# Allegro board HY_UART_DBUG_V20_230103.brd
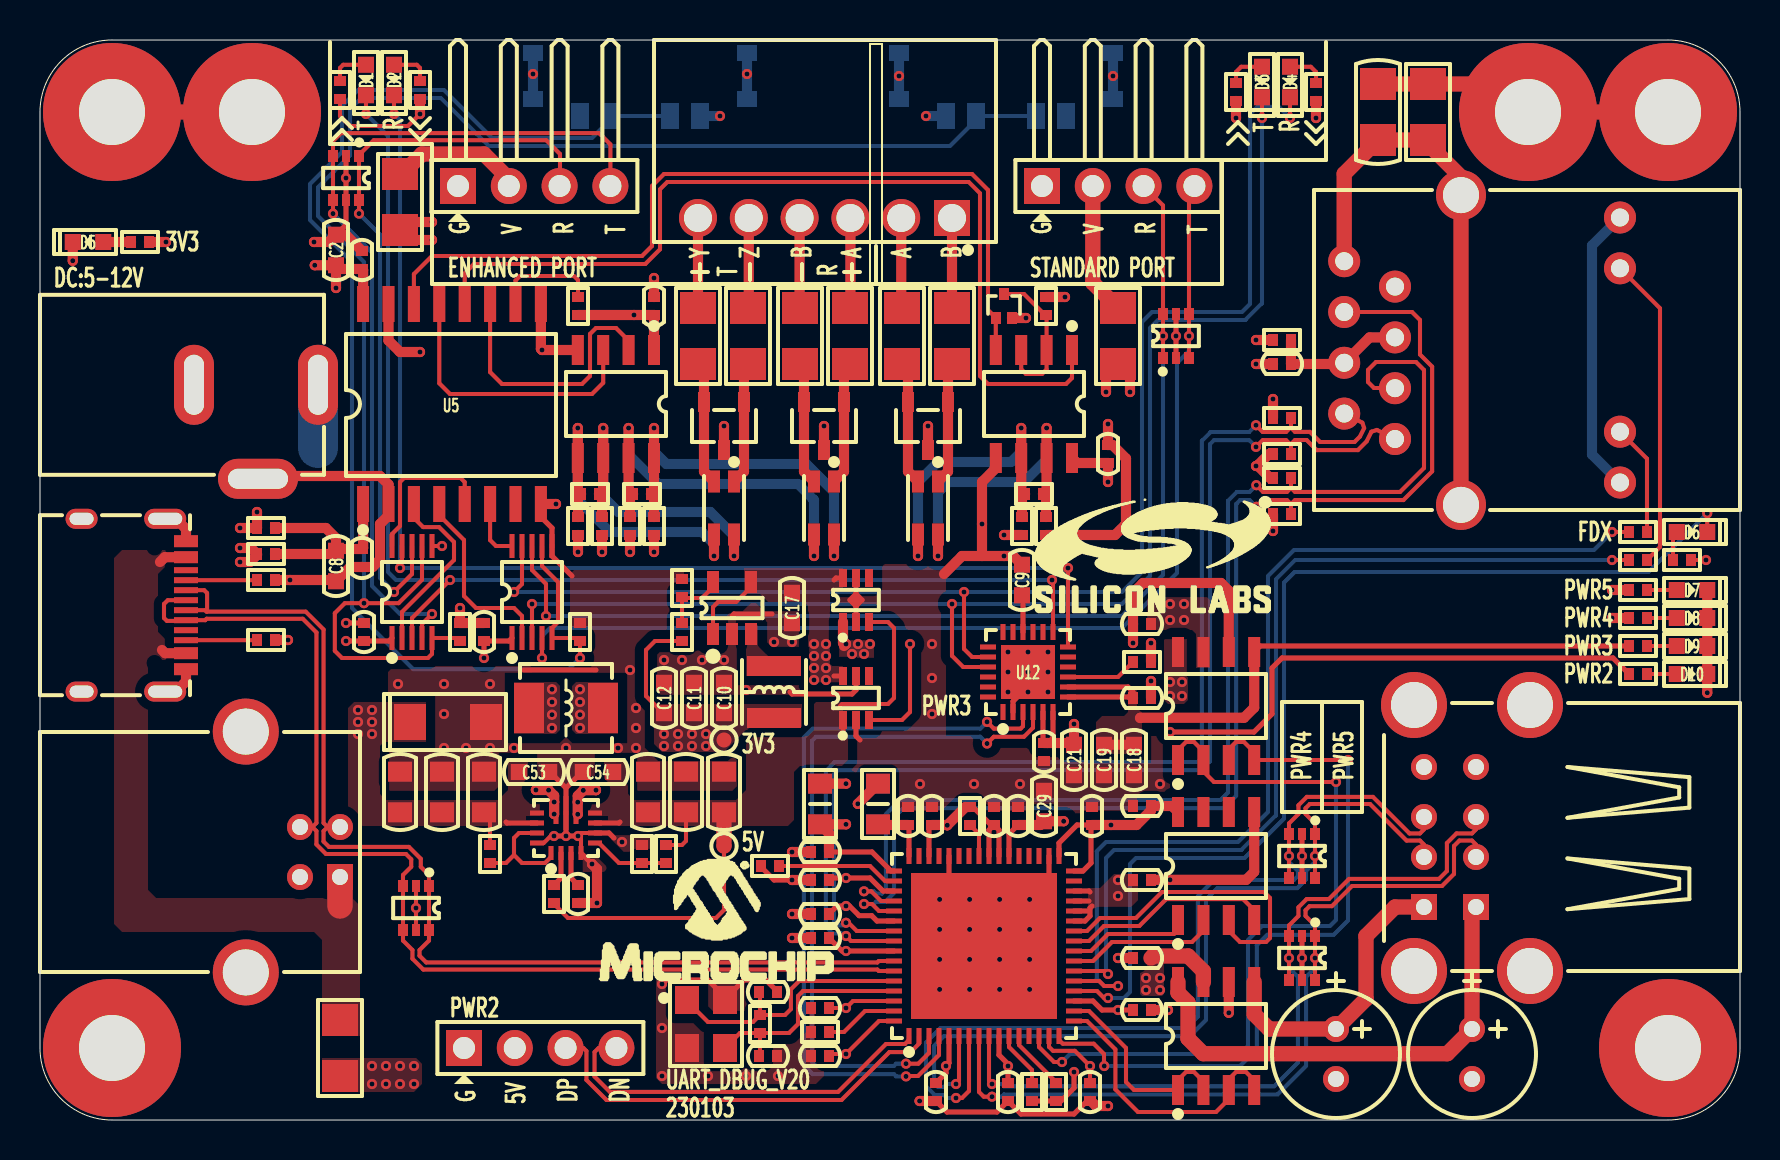
[diagram p0: board, top side]
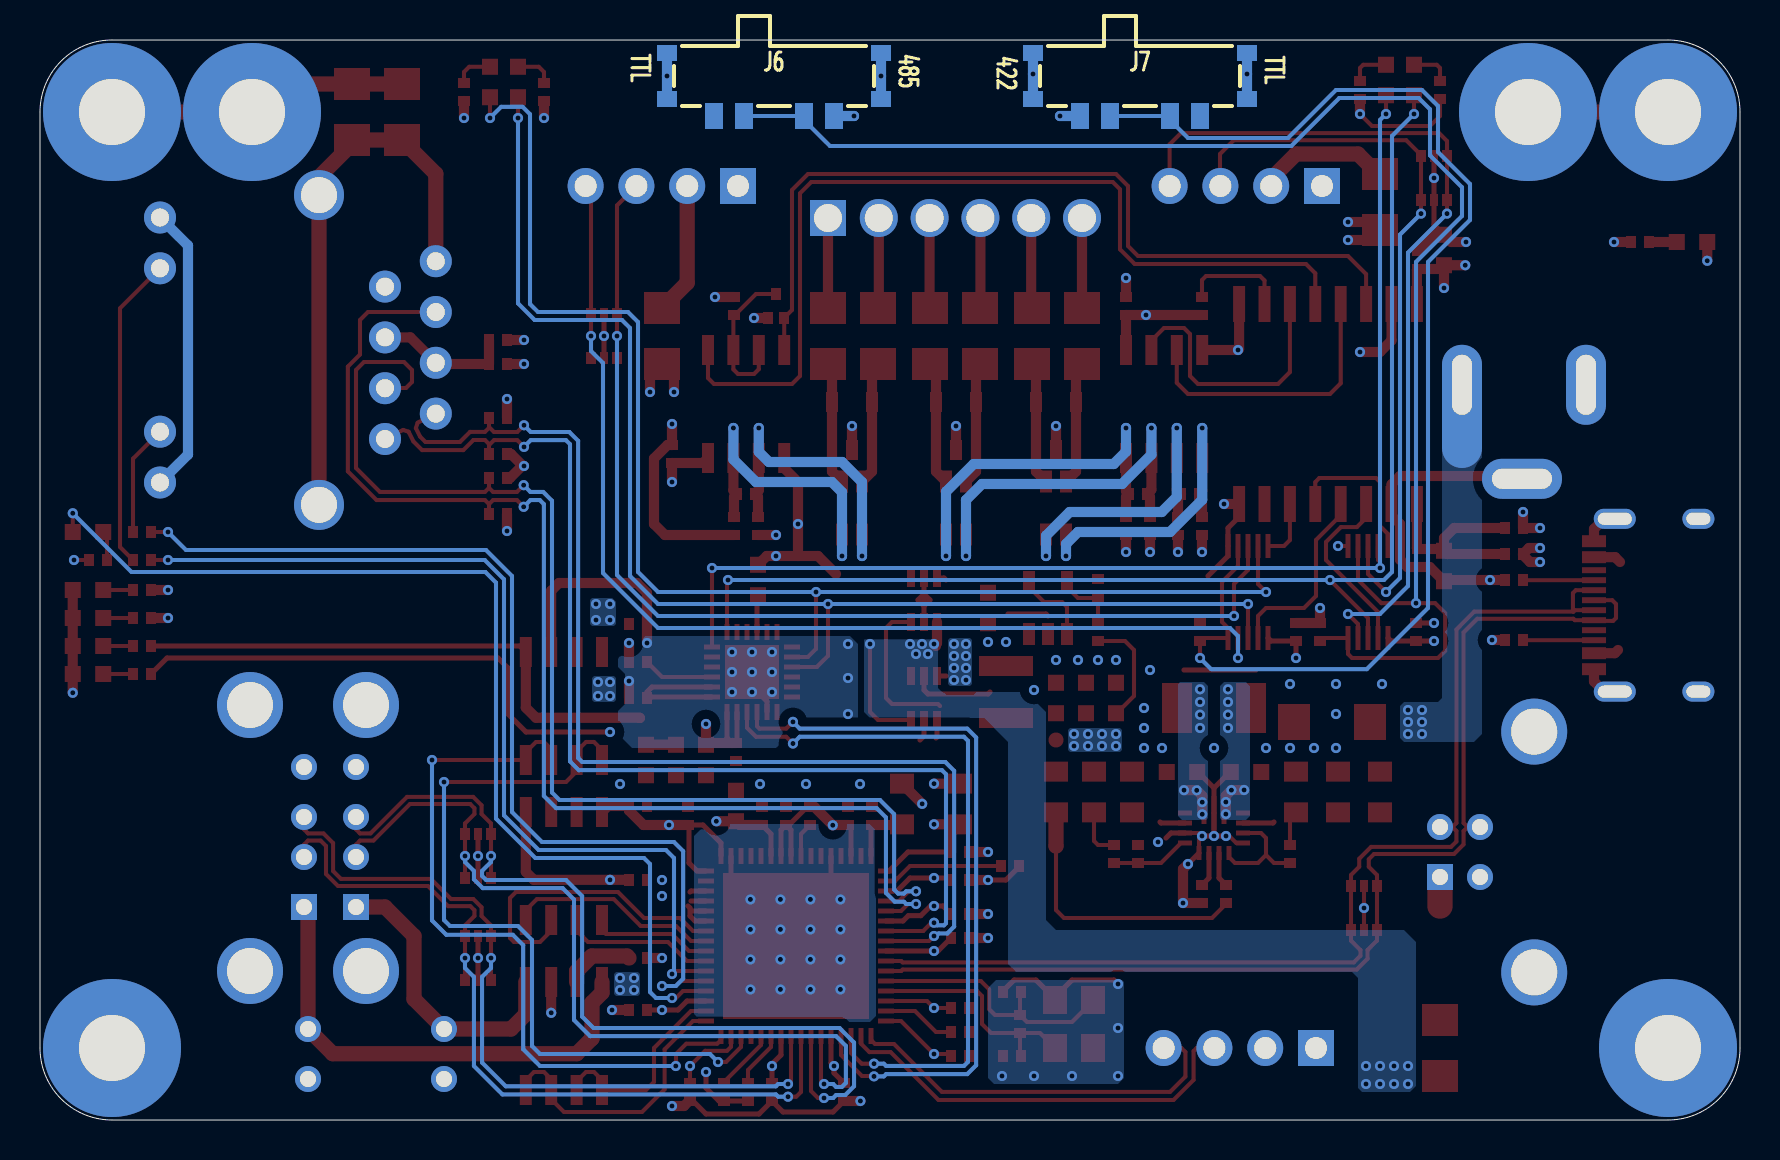
[diagram p1: board, bottom side, seen from below]

Outline 85 x 54 mm; copper layers: TOP, L02_GND, L03_VCC, BOTTOM. Coordinates in mm from the lower left corner of the outline.
Outline path: 0,50.4 arc(1.05,52.95) 3.6,54 81.4,54 arc(83.95,52.95) 85,50.4 85,3.6 arc(83.95,1.05) 81.4,0 3.6,0 arc(1.05,1.05) 0,3.6 0,50.4

## Design rules (mm)
constraint set DEFAULT: min track width 0.203, pair gap 0.203
net group DP1: nets USBDM0 USBDP0
net group DP2: nets USBDM2 USBDP2
net group DP3: nets USBDM3 USBDP3
net group DP4: nets USBDM4 USBDP4
net group DP5: nets USBDM5 USBDP5
net group RX: nets RXN RXP
net group TX: nets TXN TXP

## Placement (name value [footprint] x y rotation side)
C1  1nF_2KV  [C1206]  66.9 50.4 270 top
C2  10uF_10V  [C0603]  14.8 43.5 90 top
C3  100nF_50V  [C0402]  16.1 43 90 top
C4  100nF_50V  [C0402]  30.7 40.7 270 top
C5  100nF_50V  [C0402]  62.1 37.8 180 top
C6  100nF_50V  [C0402]  53.4 33.3 270 top
C7  100nF_50V  [C0402]  16.1 28.1 270 top
C8  10uF_10V  [C0603]  14.8 27.7 270 top
C9  10uF_10V  [C0603]  49.1 27 90 top
C10  10uF_10V  [C0603]  34.2 21.1 90 top
C11  10uF_10V  [C0603]  32.7 21.1 90 top
C12  10uF_10V  [C0603]  31.2 21.1 90 top
C13  100nF_50V  [C0402]  55.1 15.7 180 top
C14  100nF_50V  [C0402]  16.2 24.4 270 top
C15  100nF_50V  [C0402]  22.2 24.4 270 top
C16  100nF_50V  [C0402]  55.1 21.1 180 top
C17  10uF_10V  [C0603]  37.6 25.6 270 top
C18  10uF_10V  [C0603]  54.7 18 90 top
C19  10uF_10V  [C0603]  53.2 18 90 top
C20  100nF_50V  [C0402]  50.2 18.4 90 top
C21  10uF_10V  [C0603]  51.7 18 90 top
C22  10uF_25V  [C0805]  18 16.4 270 top
C23  10uF_25V  [C0805]  20.1 16.4 270 top
C24  10uF_25V  [C0805]  22.2 16.4 270 top
C25  22uF_10V  [C0805]  30.4 16.4 270 top
C26  22uF_10V  [C0805]  32.3 16.4 270 top
C27  22uF_10V  [C0805]  34.2 16.4 270 top
C29  10uF_10V  [C0603]  50.2 15.7 270 top
C30  100nF_50V  [C0402]  43.4 15.2 270 top
C31  100nF_50V  [C0402]  44.6 15.2 270 top
C32  100nF_50V  [C0402]  47.7 15.2 270 top
C33  100nF_50V  [C0402]  48.9 15.2 270 top
C34  100nF_50V  [C0402]  52.6 15.2 270 top
C35  100nF_50V  [C0402]  55.1 24.8 180 top
C36  100nF_50V  [C0402]  39 13.4 0 top
C37  100nF_50V  [C0402]  26.9 11.3 90 top
C38  100nF_50V  [C0402]  39 12 0 top
C39  100nF_50V  [C0402]  55.1 12 180 top
C40  100nF_50V  [C0402]  39 10.3 0 top
C41  100nF_50V  [C0402]  39 9.1 0 top
C42  20pF_50V  [C0402]  36.4 6.4 180 top
C43  100nF_50V  [C0402]  55.1 5.5 180 top
C44  100nF_50V  [C0402]  55.1 8.1 180 top
C45  100nF_50V  [C0402]  39 5.6 0 top
C46  470uF_6V3  [CAP-2R5-6R3X7]  64.8 3.3 270 top
C47  470uF_6V3  [CAP-2R5-6R3X7]  71.6 3.3 270 top
C48  20pF_50V  [C0402]  36.4 3.2 180 top
C49  100nF_50V  [C0402]  39 3.2 0 top
C50  100nF_50V  [C0402]  44.8 1.4 90 top
C51  100nF_50V  [C0402]  48.4 1.4 90 top
C52  100nF_50V  [C0402]  52.5 1.4 90 top
C53  10uF_10V  [C0603]  24.7 17.4 0 top
C54  10uF_10V  [C0603]  27.9 17.4 180 top
D1  LED_GREEN  [LED0603]  16.3 52 270 top
D2  LED_GREEN  [LED0603]  17.7 52 270 top
D3  LED_GREEN  [LED0603]  61.1 51.9 270 top
D4  LED_GREEN  [LED0603]  62.5 51.9 270 top
D5  LED_GREEN  [LED0603]  2.4 43.9 180 top
D6  LED_GREEN  [LED0603]  82.6 29.4 0 top
D7  LED_GREEN  [LED0603]  82.6 26.5 0 top
D8  LED_GREEN  [LED0603]  82.6 25.1 0 top
D9  LED_GREEN  [LED0603]  82.6 23.7 0 top
D10  LED_GREEN  [LED0603]  82.6 22.3 0 top
D11  SS56F  [SMAF]  20.4 19.9 180 top
DC1  -  [DC005]  7.7 36.76 0 top
F1  nSMD200  [FUSE1206]  18 45.9 90 top
F2  nSMD200  [FUSE1206]  53.9 39.2 90 top
F3  nSMD200  [FUSE1206]  15 3.6 90 top
J1  DB2ERC-2.54-6P-GN  [DB2ERC-2R54-6P-GN]  45.6 45.1 180 top
J2  -  [CN1X4-2P54-Z]  20.9 46.7 0 top
J3  -  [CN1X4-2P54-Z]  50.1 46.7 0 top
J4  -  [HR911105A]  74.1 38.5 0 top
J5  -  [CN1X4-2P54-Z]  21.2 3.6 0 top
J6  -  [K3-1208S-E1]  48.3 52.2 0 bottom
J7  -  [K3-1208S-E1]  30 52.2 0 bottom
L1  DLW31SN222SQ2L  [WCM3216]  34.2 30.6 270 top
L2  DLW31SN222SQ2L  [WCM3216]  39.2 30.6 270 top
L3  DLW31SN222SQ2L  [WCM3216]  44.4 30.6 270 top
L4  SWPA3015S2R2NT  [L3015]  36.7 21.4 270 top
L5  FXL0420-1R5-M  [L0420]  26.3 20.6 0 top
L6  GZ2012D101TF  [L0805]  39 15.8 270 top
L7  GZ2012D101TF  [L0805]  41.9 15.8 270 top
MH1  HOLE_M3/NI  [HOLE6R90X3R40]  3.6 50.4 0 top
MH2  HOLE_M3/NI  [HOLE6R90X3R40]  10.6 50.4 0 top
MH3  HOLE_M3/NI  [HOLE6R90X3R40]  74.4 50.4 0 top
MH4  HOLE_M3/NI  [HOLE6R90X3R40]  81.4 50.4 0 top
MH5  HOLE_M3/NI  [HOLE6R90X3R40]  3.6 3.6 0 top
MH6  HOLE_M3/NI  [HOLE6R90X3R40]  81.4 3.6 0 top
NOREF  -  []  0 0 0 top
NOREF#2  -  []  0 0 90 top
NOREF#3  -  []  3.6 50.4 0 top
NOREF#4  -  []  0 0 90 top
NOREF#5  -  []  0 0 90 top
NOREF#6  -  []  0 0 0 top
NOREF#7  -  []  0 0 0 top
Q1  DTC043ZMT2L  [SOT723]  48.2 40.7 0 top
R1  10K  [R0402]  15 51.5 270 top
R2  10K  [R0402]  19 51.5 270 top
R3  10K  [R0402]  59.8 51.4 270 top
R4  10K  [R0402]  63.8 51.4 270 top
R5  10M  [R1206]  69.4 50.4 90 top
R6  10K  [R0402]  5 43.9 0 top
R7  0R/NI  [R0402]  26.9 40.7 270 top
R8  10K  [R0402]  50.3 40.7 270 top
R9  10R  [R1206]  32.9 39.2 90 top
R10  10R  [R1206]  35.4 39.2 90 top
R11  10R  [R1206]  38 39.2 90 top
R12  10R  [R1206]  40.5 39.2 90 top
R13  10R  [R1206]  43.1 39.2 90 top
R14  10R  [R1206]  45.6 39.2 90 top
R15  0R  [R0402]  62.1 39 0 top
R16  49.9R  [R0402]  62.1 35.1 180 top
R17  49.9R  [R0402]  62.1 33.3 180 top
R18  49.9R  [R0402]  62.1 32.1 180 top
R19  120R/NI  [R0402]  27.5 31.3 180 top
R20  120R/NI  [R0402]  30.1 31.3 0 top
R21  120R/NI  [R0402]  49.7 31.3 180 top
R22  49.9R  [R0402]  62.1 30.3 180 top
R23  2K  [R0402]  26.9 29.7 270 top
R24  2K  [R0402]  28.1 29.7 90 top
R25  2K  [R0402]  29.5 29.7 90 top
R26  2K  [R0402]  30.7 29.7 270 top
R27  2K  [R0402]  49.1 29.7 270 top
R28  2K  [R0402]  50.3 29.7 90 top
R29  2K  [R0402]  79.9 29.4 0 top
R30  0R  [R0402]  11.3 28.3 0 top
R31  0R/NI  [R0402]  11.3 29.6 0 top
R32  2K  [R0402]  79.9 28 0 top
R33  2K  [R0402]  82.1 28 0 top
R34  4.7K  [R0402]  11.3 27 180 top
R35  10K  [R0402]  79.9 26.5 180 top
R36  10K  [R0402]  79.9 25.1 180 top
R37  4.7K  [R0402]  11.3 24 0 top
R38  10K  [R0402]  21 24.4 90 top
R39  10K  [R0402]  27 24.4 90 top
R40  10K  [R0402]  79.9 23.7 180 top
R41  10K  [R0402]  55.1 22.9 180 top
R42  10K  [R0402]  79.9 22.3 180 top
R43  453K  [R0402]  32.1 24.4 90 top
R44  100K  [R0402]  32.1 26.6 90 top
R45  10K  [R0402]  46.5 15.2 270 top
R46  12.4K  [R0402]  36.5 12.7 0 top
R47  10K  [R0402]  22.5 13.3 90 top
R48  100K  [R0402]  25.7 11.3 270 top
R49  100K  [R0402]  30.1 13.3 270 top
R50  523K  [R0402]  31.3 13.3 90 top
R51  1M  [R0402]  36 4.8 90 top
R52  12K  [R0402]  39 4.4 180 top
R53  10K  [R0402]  49.6 1.4 270 top
R54  10K  [R0402]  50.8 1.4 270 top
TP1  TP/NI  [TP-0R75]  34.2 19 90 top
TP2  TP/NI  [TP-0R75]  34.2 13.7 0 top
U1  TPD4E1U06DCKR  [SOT363]  15.3 47.1 180 top
U2  TPD4E1U06DCKR  [SOT363]  56.8 39.2 0 top
U3  SP3490EN-L/TR  [SOIC8]  28.8 35.8 180 top
U4  SP3485EN-L/TR  [SOIC8]  49.7 35.8 180 top
U5  CA-IS3642HW  [SOIC16_300]  20.6 35.8 0 top
U6  SDT23C712L02  [SOT23-3]  34.2 34.7 90 top
U7  SDT23C712L02  [SOT23-3]  39.2 34.7 90 top
U8  SDT23C712L02  [SOT23-3]  44.4 34.7 90 top
U9  TS5A22362DGSR  [VSSOP10]  18.6 26.4 0 top
U10  TS5A22362DGSR  [VSSOP10]  24.6 26.4 0 top
U11  LM66100DCKR  [SC70-6]  40.8 26 0 top
U12  CP2105  [QFN24-4X4X0R5-2R7X2R7]  49.4 22.4 0 top
U13  93LC66A-I/SN/NI  [SOIC8]  58.8 12.7 0 top
U14  TLV62565DB  [SOT23-5]  34.6 25.6 0 top
U15  LM66100DCKR  [SC70-6]  40.8 21.1 0 top
U16  TPS63070RNMR  [VQFN15-2R5X3R0X0R5]  26.3 14.6 90 top
U17  TPD4E1U06DCKR  [SOT363]  63.1 13.2 180 top
U18  XL2026-1  [SOIC8]  58.8 4.2 0 top
U19  TPD4E1U06DCKR  [SOT363]  63.1 8.1 180 top
U20  TPD4E1U06DCKR  [SOT363]  18.8 10.6 180 top
U21  LAN9514I-JZX  [QFN64-9X9X0R5-7R3X7R3]  47.2 8.7 0 top
U22  X322525MSB4SI  [X-4P-3R2X2R5-SMD]  33.3 4.8 270 top
U23  XL2026-1  [SOIC8]  58.8 20.7 0 top
USB1  -  [TYPE-C-31-M-12]  7.3 25.74 270 top
USB2  -  [USB-A-DOUBLE]  69.2 14.15 0 top
USB3  -  [USB-B]  15 13.4 180 top

## Library data of the parts
C1-C3 C5 C7 C8 C13-C16 C18-C27 C29-C45 C48-C52 = CAP NP_2
C4 C6 C9-C12 C17 C53 C54 = CAP NP
C46 C47 = CAPT_100UF_3528_6r3V_10%_LXXXX
D1-D10 = LED_4
D11 = DIODE13_9
DC1 = DC005
F1-F3 = FUSE
J1 = CONN RCPT 6
J2 J3 J5 = CONN RCPT 4
J4 = CON_RJ45_1X8_F_RA_0
J6 J7 = K3-1208S-E1
L1-L3 = 744822222_0
L4 = INDUCTOR_0
L5-L7 = IND_BEAD_0805_600OHM_1
MH1-MH6 = Hold_1
Q1 = DTC043ZMT2L
R1-R54 = R_Generic
TP1 TP2 = TestPoint
U1 U2 U17 U19 U20 = TPD4E1U06DBVR
U3 = MAX3485ESA_0
U4 = MAX3485ESA
U5 = CA-IS3642HW
U6-U8 = PESD1CAN
U9 U10 = TS5A22362DGSR
U11 U15 = LM66100DCKR
U12 = CP2105_9
U13 = 93LC66B-I/SN
U14 = TLV62565DBVR
U16 = TPS63070RNMR
U18 U23 = MIC2026-1YM
U21 = LAN9514I-JZX
U22 = TSX-3225
USB1 = TYPE-C_16P
USB2 = USB-A-DOUBLE
USB3 = USB-B

## Footprints (pads in the part's own frame, mm; a bottom-side part is the same pattern mirrored in y, then rotated)
C0402
  rect 0.5x0.6 smd: 1(-0.45,0) 2(0.45,0)
C0603
  rect 0.8x0.8 smd: 1(-0.762,0) 2(0.762,0)
C0805
  rect 1x1.2 smd: 1(-1.016,0) 2(1.016,0)
C1206
  rect 1.6x1.8 smd: 1(-1.4,0) 2(1.4,0)
CAP-2R5-6R3X7
  round 1.3 hole 0.8: 1(-1.25,0) 2(1.25,0)
CN1X4-2P54-Z
  rect 1.8x1.8 hole 1.1: 1(0,0)
  round 1.8 hole 1.1: 2(2.54,0) 3(5.08,0) 4(7.62,0)
DB2ERC-2R54-6P-GN
  rect 1.8x1.8 hole 1.4: 1(0,0)
  round 1.9 hole 1.4: 2(2.54,0) 3(5.08,0) 4(7.62,0) 5(10.16,0) 6(12.7,0)
DC005
  oval 2x4 hole 1x3: 1(6.2,0) 2(0,0)
  oval 4x2 hole 3x1: 3(3.2,-4.7)
FUSE1206
  rect 1.6x1.8 smd: 1(-1.4,0) 2(1.4,0)
HOLE6R90X3R40
  round 6.9 hole 3.3: 1(0,0)
HR911105A
  round 1.6 hole 0.9: 1(-6.35,-4.45) 2(-8.89,-3.18) 3(-6.35,-1.91) 4(-8.89,-0.64) 5(-6.35,0.63) 6(-8.89,1.9) 7(-6.35,3.17) 8(-8.89,4.44) 9(4.9,-6.625) 10(4.9,-4.085) 11(4.9,4.085) 12(4.9,6.625)
  round 2.5 hole 1.8: 13(-3.05,-7.745) 14(-3.05,7.745)
K3-1208S-E1
  rect 1x0.8 smd: 1(-5.35,1.15) 2(-5.35,-1.15) 3(5.35,-1.15) 4(5.35,1.15)
  rect 0.9x1.3 smd: 5(3,2) 6(1.5,2) 7(-1.5,2) 8(-3,2)
L0420
  rect 1.5x2.5 smd: 1(-1.85,0) 2(1.85,0)
L0805
  rect 1x1.2 smd: 1(-1.016,0) 2(1.016,0)
L3015
  rect 1x2.7 smd: 1(-1.3,0) 2(1.3,0)
LED0603
  rect 0.8x0.8 smd: 1(-0.762,0) 2(0.762,0)
QFN24-4X4X0R5-2R7X2R7
  rect 0.25x0.8 smd: 1(-1.25,-2) 2(-0.75,-2) 3(-0.25,-2) 4(0.25,-2) 5(0.75,-2) 6(1.25,-2) 13(1.25,2) 14(0.75,2) 15(0.25,2) 16(-0.25,2) 17(-0.75,2) 18(-1.25,2)
  rect 0.8x0.25 smd: 7(2,-1.25) 8(2,-0.75) 9(2,-0.25) 10(2,0.25) 11(2,0.75) 12(2,1.25) 19(-2,1.25) 20(-2,0.75) 21(-2,0.25) 22(-2,-0.25) 23(-2,-0.75) 24(-2,-1.25)
  rect 2.7x2.7 smd: 25(0,0)
QFN64-9X9X0R5-7R3X7R3
  rect 0.25x0.8 smd: 1(-3.75,-4.5) 2(-3.25,-4.5) 3(-2.75,-4.5) 4(-2.25,-4.5) 5(-1.75,-4.5) 6(-1.25,-4.5) 7(-0.75,-4.5) 8(-0.25,-4.5) 9(0.25,-4.5) 10(0.75,-4.5) 11(1.25,-4.5) 12(1.75,-4.5) 13(2.25,-4.5) 14(2.75,-4.5) 15(3.25,-4.5) 16(3.75,-4.5) 33(3.75,4.5) 34(3.25,4.5) 35(2.75,4.5) 36(2.25,4.5) 37(1.75,4.5) 38(1.25,4.5) 39(0.75,4.5) 40(0.25,4.5) 41(-0.25,4.5) 42(-0.75,4.5) 43(-1.25,4.5) 44(-1.75,4.5) 45(-2.25,4.5) 46(-2.75,4.5) 47(-3.25,4.5) 48(-3.75,4.5)
  rect 0.8x0.25 smd: 17(4.5,-3.75) 18(4.5,-3.25) 19(4.5,-2.75) 20(4.5,-2.25) 21(4.5,-1.75) 22(4.5,-1.25) 23(4.5,-0.75) 24(4.5,-0.25) 25(4.5,0.25) 26(4.5,0.75) 27(4.5,1.25) 28(4.5,1.75) 29(4.5,2.25) 30(4.5,2.75) 31(4.5,3.25) 32(4.5,3.75) 49(-4.5,3.75) 50(-4.5,3.25) 51(-4.5,2.75) 52(-4.5,2.25) 53(-4.5,1.75) 54(-4.5,1.25) 55(-4.5,0.75) 56(-4.5,0.25) 57(-4.5,-0.25) 58(-4.5,-0.75) 59(-4.5,-1.25) 60(-4.5,-1.75) 61(-4.5,-2.25) 62(-4.5,-2.75) 63(-4.5,-3.25) 64(-4.5,-3.75)
  rect 7.3x7.3 smd: 65(0,0)
R0402
  rect 0.5x0.6 smd: 1(-0.45,0) 2(0.45,0)
R1206
  rect 1.6x1.8 smd: 1(-1.4,0) 2(1.4,0)
SC70-6
  rect 0.4x0.9 smd: 1(-0.65,-1.1) 2(0,-1.1) 3(0.65,-1.1) 4(0.65,1.1) 5(0,1.1) 6(-0.65,1.1)
SMAF
  rect 1.6x1.8 smd: 1(-1.9,0) 2(1.9,0)
SOIC8
  rect 0.6x1.5 smd: 1(-1.9,-2.7) 2(-0.63,-2.7) 3(0.64,-2.7) 4(1.91,-2.7) 5(1.91,2.7) 6(0.64,2.7) 7(-0.63,2.7) 8(-1.9,2.7)
SOIC16_300
  rect 0.6x1.8 smd: 1(-4.445,-5) 2(-3.175,-5) 3(-1.905,-5) 4(-0.635,-5) 5(0.635,-5) 6(1.905,-5) 7(3.175,-5) 8(4.445,-5) 9(4.445,5) 10(3.175,5) 11(1.905,5) 12(0.635,5) 13(-0.635,5) 14(-1.905,5) 15(-3.175,5) 16(-4.445,5)
SOT23-3
  rect 1x0.6 smd: 1(1.2,-1) 2(1.2,1) 3(-1.2,0)
SOT23-5
  rect 0.6x1.1 smd: 1(-0.95,-1.3) 2(0,-1.3) 3(0.95,-1.3) 4(0.95,1.3) 5(-0.95,1.3)
SOT363
  rect 0.5x0.6 smd: 1(-0.65,-1.1) 3(0.65,-1.1) 4(0.65,1.1) 6(-0.65,1.1)
  rect 0.4x0.6 smd: 2(0,-1.1) 5(0,1.1)
SOT723
  rect 0.5x0.6 smd: 1(-0.4,-0.6) 2(0.4,-0.6) 3(0,0.6)
TP-0R75
  round 0.75 smd: 1(0,0)
TYPE-C-31-M-12
  rect 0.6x1.2 smd: 1(-3.2,0) 2(-2.4,0) 11(2.4,0) 12(3.2,0)
  rect 0.3x1.2 smd: 3(-1.75,0) 4(-1.25,0) 5(-0.75,0) 6(-0.25,0) 7(0.25,0) 8(0.75,0) 9(1.25,0) 10(1.75,0)
  oval 1x2.1 hole 0.6x1.7: 13(-4.32,-1.04) 14(4.32,-1.04)
  oval 1x1.6 hole 0.6x1.2: 15(-4.32,-5.22) 16(4.32,-5.22)
USB-A-DOUBLE
  rect 1.3x1.3 hole 0.8: 1(2.6,-3.5) 5(0,-3.5)
  round 1.3 hole 0.8: 2(2.6,-1) 3(2.6,1) 4(2.6,3.5) 6(0,-1) 7(0,1) 8(0,3.5)
  round 3.3 hole 2.3: 9(-0.5,6.6) 10(5.3,6.6) 11(5.3,-6.7) 12(-0.5,-6.7)
USB-B
  rect 1.3x1.3 hole 0.8: 1(0,1.25)
  round 1.3 hole 0.8: 2(0,-1.25) 3(2,-1.25) 4(2,1.25)
  round 3.3 hole 2.3: 5(4.71,6.02) 6(4.71,-6.02)
VQFN15-2R5X3R0X0R5
  rect 0.7x0.25 smd: 1(-1.25,0.75) 2(-1.25,0.25) 3(-1.25,-0.25) 4(-1.25,-0.75)
  rect 0.25x0.7 smd: 5(-0.75,-1.45) 6(-0.25,-1.45) 7(0.25,-1.45) 8(0.75,-1.45) 12(0.75,1.45) 13(0.25,1.45) 14(-0.25,1.45) 15(-0.75,1.45)
  rect 1.4x0.25 smd: 9(0.9,-0.5) 11(0.9,0.5)
  rect 1.7x0.25 smd: 10(0.75,0)
VSSOP10
  rect 0.25x1.2 smd: 1(-1,-2.3) 2(-0.5,-2.3) 3(0,-2.3) 4(0.5,-2.3) 5(1,-2.3) 6(1,2.3) 7(0.5,2.3) 8(0,2.3) 9(-0.5,2.3) 10(-1,2.3)
WCM3216
  rect 1.1x0.6 smd: 1(-1.325,0.5) 2(-1.325,-0.5) 3(1.325,-0.5) 4(1.325,0.5)
X-4P-3R2X2R5-SMD
  rect 1.4x1.2 smd: 1(-1.2,-0.95) 2(1.2,-0.95) 3(1.2,0.95) 4(-1.2,0.95)

## Nets
GND: C1.1 C2.2 C3.2 C5.2 C7.2 C8.2 C9.2 C10.2 C11.2 C12.2 C13.2 C14.1 C15.1 C16.1 C17.2 C18.1 C19.1 C20.1 C21.1 C22.1 C23.1 C24.1 C25.1 C26.1 C27.1 C29.1 C30.1 C31.1 C32.1 C33.1 C34.1 C35.2 C36.1 C37.1 C38.1 C39.1 C40.1 C41.1 C42.1 C43.1 C44.2 C45.1 C46.2 C47.2 C48.1 C49.1 C50.1 C51.1 C52.1 C53.2 C54.2 D5.2(CATHODE) D7.2(CATHODE) D8.2(CATHODE) D9.2(CATHODE) D10.2(CATHODE) D11.1 DC1.2 DC1.3 J2.1 J3.1 J5.1 J6.1 J6.2 J6.3 J6.4 J7.1 J7.2 J7.3 J7.4 MH1.1 MH2.1 MH3.1 MH4.1 MH5.1 MH6.1 R5.2 R34.1 R37.2 R38.2 R39.2 R44.2 R46.1 R49.1 R52.2 U1.2 U1.5(NC) U2.2 U2.5(NC) U4.5 U5.2 U5.8 U9.6 U10.6 U11.2 U11.5 U12.2 U12.25 U13.5(VSS) U14.2 U15.2 U15.5 U16.4 U16.6 U16.10 U16.15(VSEL) U17.2 U17.5(NC) U18.6 U19.2 U19.5(NC) U20.2 U20.5(NC) U21.34 U21.44 U21.65 U22.2 U22.4 U23.6 USB1.1 USB1.12 USB1.13 USB1.14 USB1.15 USB1.16 USB2.4 USB2.8 USB2.9 USB2.10 USB2.11 USB2.12 USB3.4 USB3.5 USB3.6
GND_EARTH: C1.2 J4.8 J4.13 J4.14 R5.1
GND_ISO: C4.1 C6.1 Q1.2 R24.1 R25.1 R28.1 U3.4 U5.9 U5.15 U6.3 U7.3 U8.3
VBUS_DET: R53.1 U21.11
VCC_3.3V: C10.1 C11.1 C12.1 C13.1 C14.2 C15.2 C20.2 C21.2 C31.2 C32.2 C34.2 C39.2 C43.2 F1.1 F2.1 J4.9 J4.12 J6.8 J7.5 L4.2 L6.1 R1.2 R2.2 R3.2 R4.2 R6.2 R15.1 R16.2 R17.2 R18.2 R22.2 R30.1 R33.2 R41.1 R43.1 R45.1 R53.2 R54.2 TP1.1 U9.1(VCC) U10.1(VCC) U12.5(VIO) U12.6 U13.8 U21.19 U21.27 U21.28 U21.29 U21.30 U21.32 U21.33 U21.39 U21.40 U21.46
VCC_3.3V_ISO: C2.1 C3.1 C4.2 C6.2 R7.2 R8.1 R23.2 R26.2 R27.2 U3.1 U4.8(VCC) U5.16
VCC_5V: C17.1 C35.1 C44.1 R31.1 U11.6(VOUT) U14.1 U14.4(VIN) U15.6(VOUT) U18.7 U23.7
VCC_5V_DC: C25.2 C26.2 C27.2 C54.1 R48.2 R50.2 TP2.1 U11.3 U15.1 U16.7 U16.8
VCC_IN: C22.2 C23.2 C24.2 C53.1 D11.2(ANODE_2) DC1.1 R47.2 U16.12 U16.13
VCC_PWR2: J5.2 R42.2 U23.8
VCC_PWR3: C16.2 C18.2 C19.2 R40.2 U12.7 U12.8 U23.5(OUTB)
VCC_PWR4: C46.1 R36.2 U18.5(OUTB) USB2.5(VCC_2)
VCC_PWR5: C47.1 R35.2 U18.8 USB2.1
VCC_USB: F3.1 U11.1 U15.3
VCC_VBUS: F3.2 USB1.2 USB1.11(VBUS2) USB3.1(VBUS)
VDD18CORE: C29.2 C33.2 C52.2 U21.15 U21.38
VDD18ETHPLL: C30.2 L7.2(B) U21.48
VDD18USBPLL: C45.2 L7.1 U21.62
VDD33A: C36.2 C38.2 C40.2 C41.2 C49.2 C50.2 C51.2 L6.2(B) U21.5 U21.10 U21.49 U21.51 U21.54 U21.57 U21.64
422_A: J1.3 R12.2
422_B: J1.4 R11.2
422_RX: U5.6(VO4) U10.10
422_RX_ISO: U3.2 U5.11
422_TX: U5.4 U10.2
422_TX_ISO: U3.3 U5.13
422_Y: J1.6 R9.2
422_Z: J1.5 R10.2
422A: L2.4 R20.2 R26.1 U3.8
422B: L2.3 R20.1 R25.2 U3.7
422Y: L1.3 R19.2 R23.1 U3.5
422Z: L1.4 R19.1 R24.2 U3.6(Z)
485_A: J1.2 R13.2
485_B: J1.1 R14.2
485_RX: U5.5 U9.10
485_RX_ISO: U4.1 U5.12
485_TX: U5.3 U9.2
485_TX_ISO: Q1.1 U4.4 U5.14
485A: L3.3 R21.2 R27.1 U4.6
485B: L3.4 R21.1 R28.2 U4.7
AUTOMDIX_EN: R45.2 U21.41
CP2105_RXD_ECI: D2.2(CATHODE) U9.9 U12.12
CP2105_RXD_SCI: D4.2(CATHODE) U10.9 U12.20
CP2105_TXD_ECI: D1.2(CATHODE) U9.3 U12.13
CP2105_TXD_SCI: D3.2(CATHODE) U10.3 U12.21
CTL_ECI: J6.6 J6.7 R38.1 U9.5 U9.7
CTL_SCI: J7.6 J7.7 R39.1 U10.5 U10.7
EECLK: U13.2 U21.23
EECS: U13.1 U21.24
EEDI: U13.3 U21.26
EEDO: U13.4 U21.25
NFDX_LED_GPIO0: D6.2(CATHODE) U21.20
NLNKA_LED_GPIO1: R29.1 U21.21
NRESET: R54.1 U21.12
NSPD_LED_GPIO2: R32.1 U21.22
PRTCTL2: U21.14 U23.1 U23.2
PRTCTL3: U21.16 U23.3 U23.4
PRTCTL4: U18.3 U18.4 U21.17
PRTCTL5: U18.1 U18.2 U21.18
RXN: J4.6 R22.1 U21.53
RXP: J4.3 R18.1 U21.52
TTL_RX_ECI: J2.3 U1.1 U1.6 U9.8
TTL_RX_SCI: J3.3 U2.1 U2.6 U10.8
TTL_TX_ECI: J2.4 U1.3 U1.4 U9.4
TTL_TX_SCI: J3.4 U2.3 U2.4 U10.4
TXN: J4.2 R16.1 U21.56
TXP: J4.1(TXP1) R17.1 U21.55
USBDM0: U20.1 U20.6 U21.58 USB1.5 USB1.7 USB3.2
USBDM2: J5.4 U21.1
USBDM3: U12.4 U21.3
USBDM4: U17.1 U17.6 U21.6 USB2.6
USBDM5: U19.1 U19.6 U21.8 USB2.2
USBDP0: U20.3 U20.4 U21.59 USB1.6 USB1.8 USB3.3
USBDP2: J5.3 U21.2
USBDP3: U12.3 U21.4
USBDP4: U17.3 U17.4 U21.7 USB2.7
USBDP5: U19.3 U19.4 U21.9 USB2.3
XI: C48.2 R51.1 U21.61 U22.3(OUT2)
XO: C42.2 R51.2 U21.60(XO) U22.1
N17444119: D1.1 R1.1
N17444150: C9.1 U12.16
N17444179: D2.1 R2.1
N17444185: D3.1 R3.1
N17444187: D4.1 R4.1
N17444217: L3.2 R13.1 U8.2
N17444218: L3.1 R14.1 U8.1
N17449852: R52.1 U21.63
N17450053: R46.2 U21.50
N17458084: C5.1 J4.4 J4.5 R15.2
N17459440: J4.11 R32.2
N17459522: J4.10 R29.2
N17460830: D6.1 R33.1
N17461894: R41.2 U12.9
N17469844: R47.1 U16.1 U16.14
N17470263: C37.2 U16.3
N17470516: L5.2(B) U16.9
N17470525: L5.1 U16.11
N17471041: R48.1 U16.2
N17471980: R49.2 R50.1 U16.5
N17489786: Q1.3 R8.2 U4.2 U4.3
N17503731: R34.2 USB1.4
N17503759: R37.1 USB1.10
N17507551: L4.1 U14.3
N17507593: R43.2 R44.1 U14.5
N17517663: L2.2 R11.1 U7.2
N17517696: L2.1 R12.1 U7.1
N17518111: L1.1 R10.1 U6.1
N17518144: L1.2 R9.1 U6.2
N17519327: R7.1 U5.10
N17519483: C7.1 C8.1 R30.2 R31.2 U5.1
N17527537: D5.1 R6.1
N17530301: F2.2 J3.2
N17531328: F1.2 J2.2
N175343710: D10.1 R42.1
N175343890: D9.1 R40.1
N175344070: D8.1 R36.1
N175344250: D7.1 R35.1

Pads without a net: J4 7; J6 5; J7 8; U5 7; U11 4; U12 1 10 11 14 15 17 18 19 22 23 24; U13 6 7; U15 4; U21 13 31 35 36 37 42 43 45 47; USB1 3 9

## Via types
v1: diameter 0.508, hole 0.254, TOP to BOTTOM, 288 vias

## Routing (per net, layer and track width the routed paths; a pad name or vN(x,y) marks a point on that pad's centre or on a via; arc(x,y) is an arc through that point)
GND: length 345.5
  TOP w0.203: U16.15 25.18,13.85 25.53,14.2 v1(25.7,14.2) ; U16.4 27.05,14.05 v1(26.9,14.2) 27.05,14.35 U16.6 ; U20.2 v1(18.8,10.6) U20.5 ; U9.6 v1(20.1,28.7)
  TOP w0.254: v1(26.9,14.2) v1(26.3,14.2) ; v1(26.3,14.2) U16.10 26.3,16.6 ; v1(26.3,14.2) v1(25.7,14.2) ; 40.8,26.3 41.1,26 40.8,25.7 ; 40.8,26.3 U11.5 ; 40.8,26.3 40.8,25.7 ; 40.8,26.3 40.5,26 40.8,25.7 ; 26.6,27.2 25.6,28.2 U10.6 25.6,29.6 25.05,30.16 U5.8 ; U22.4 34.25,6.05 ; 34.25,6.05 35.2,7 36.3,7 36.85,6.45 C42.1 ; 34.25,6.05 34.25,6.15 33.4,7 31.3,7 v1(31.1,6.8) ; 34.6,25.2 34.7,25.3 36.6,25.3 ; U21.44 45.45,10.45 U21.65 50.45,11.95 U21.34 ; 40.8,25.7 U11.2 ; R46.1 36.05,12.65 36.7,12 v1(37.6,12) ; C53.2 25.5,17.4 26.3,16.6 ; U2.2 v1(56.8,39.2) U2.5 ; U17.2 v1(63.1,13.2) U17.5 ; 26.3,16.6 27.1,17.4 C54.2 ; C50.1 45.35,0.4 47.85,0.4 C51.1 49.05,0.3 51.7,0.3 52.35,0.95 C52.1 ; U15.5 40.8,21.5 40.6,21.3 37.6,21.3 37.5,21.4 ; U16.6 28.45,14.35 28.7,14.1 ; 41,19 40.8,19.2 U15.2 ; U12.2 48.65,20.93 48.91,21.19 48.91,21.91 v1(49.4,22.4) ; U1.2 v1(15.3,47.1) U1.5 15.3,44.76 C2.2 ; U19.2 v1(63.1,8.1) U19.5 ; 24.2,22.5 27.8,22.5 ; U16.4 v1(27.6,12.8) ; C14.1 v1(15.3,24.85)
  TOP w0.508: 47.1,28.2 v1(47.1,29.8) 47.1,31.9 47.79,32.59 U4.5 ; 47.1,28.2 46.1,28.2 45.2,27.3 ; 47.1,28.2 v1(48.2,28.2) 48.66,28.2 C9.2 ; D7.2 D8.2 D9.2 D10.2 v1(83.36,21.36) ; C5.2 v1(60.8,37.8) ; U13.5 60.71,12.41 60.31,12.01 v1(56.5,12.01) 55.56,12.01 C39.1 ; C15.1 R38.2 v1(21,25.6) ; C3.2 15.29,44.26 C2.2 14.44,43.9 v1(13.7,43.9) ; U23.6 59.44,26.46 59.05,26.85 55.15,26.85 54.65,26.35 C35.2 v1(54.65,23.85) ; USB1.12 7.3,21.93 6.79,21.42 USB1.14 ; U18.6 v1(59.44,5.36) ; D5.2 v1(1.64,42.96) ; C40.1 v1(37.6,10.3) ; C44.2 v1(53.9,8.1) ; C37.1 v1(27.85,10.85) 27.85,12.55 v1(27.6,12.8) ; C38.1 v1(37.6,12) ; DC1.3 11.04,32.2 17,32.2 17.43,31.77 U5.2 17.43,30.23 17,29.8 17,28.02 16.63,27.65 C7.2 15.51,27.65 C8.2 14.74,27 v1(12.5,27) R34.1 ; v1(53.4,0.7) 52.8,0.7 52.55,0.95 C52.1 ; USB1.13 6.79,30.06 7.3,29.55 USB1.1 ; C43.1 v1(56.4,5.5) ; C36.1 v1(37.6,13.4) ; C16.1 v1(55.55,21.95) ; C41.1 v1(37.6,9.1) ; R37.2 v1(12.4,24) ; C50.1 v1(43.98,0.95) ; U5.8 v1(25.8,30.8)
  TOP w0.762: MH4.1 MH3.1 73,51.8 R5.2 C1.1 ; MH2.1 MH1.1
  L02_GND w0.254: 63.1,13.9 v1(63.1,13.2) 63.1,12.6 ; 63.1,7.3 v1(63.1,8.1) 63.1,8.8 ; 56.8,38.5 v1(56.8,39.2) 56.8,39.8 ; 44.8,0.5 48.9,0.5 49,0.6
  L02_GND w0.711: 21.2,2.14 J5.1 ; J5.1 21.2,5.06 ; J5.1 19.74,3.6 ; 8.08,19.42 USB3.6 ; USB3.6 10.29,21.63 ; USB3.6 10.29,17.21 ; USB3.6 12.5,19.42 ; USB2.8 70.41,17.65 ; USB2.8 67.99,17.65 ; USB2.8 69.2,16.44 ; USB3.5 12.5,7.38 ; USB3.5 8.08,7.38 ; USB3.5 10.29,5.17 ; USB3.5 10.29,9.59 ; USB1.15 2.08,31.12 ; USB1.15 0.72,30.06 ; USB1.15 2.08,29 ; USB1.15 3.44,30.06 ; J2.1 20.9,48.16 ; J2.1 20.9,45.24 ; J2.1 19.44,46.7 ; 50.1,45.24 J3.1 ; J3.1 48.64,46.7 ; J3.1 50.1,48.16 ; 10.6,46.39 MH2.1 14.61,50.4 ; DC1.2 9.26,36.76 ; DC1.2 7.7,34.2 ; DC1.2 7.7,39.32 ; DC1.2 6.14,36.76 ; 6.26,20.36 USB1.14 ; USB1.14 7.87,21.42 ; USB1.14 4.65,21.42 ; 3.6,7.61 MH5.1 7.61,3.6 ; 72.29,20.75 USB2.10 ; USB2.10 74.5,18.54 ; USB2.10 76.71,20.75 ; USB2.10 74.5,22.96 ; USB2.11 76.71,7.45 ; USB2.11 74.5,5.24 ; USB2.11 72.29,7.45 ; USB2.11 74.5,9.66 ; 68.7,5.24 USB2.12 ; USB2.12 66.49,7.45 ; USB2.12 70.91,7.45 ; 71.8,16.44 USB2.4 ; USB2.4 73.01,17.65 ; USB2.4 70.59,17.65 ; USB2.4 71.8,18.86 ; 11.79,12.15 USB3.4 ; USB3.4 13,13.36 ; USB3.4 13,10.94 ; 71.6,0.84 C47.2 ; C47.2 71.6,3.26 ; C47.2 72.81,2.05 ; C47.2 70.39,2.05 ; 4.65,30.06 USB1.13 ; USB1.13 6.26,31.12 ; USB1.13 7.87,30.06 ; C46.2 66.01,2.05 ; C46.2 64.8,3.26 ; C46.2 64.8,0.84 ; C46.2 63.59,2.05 ; USB2.9 70.91,20.75 ; USB2.9 68.7,22.96 ; USB2.9 66.49,20.75 ; 2.08,20.36 USB1.16 ; USB1.16 3.44,21.42 ; USB1.16 0.72,21.42 ; USB1.16 2.08,22.48 ; 81.4,7.61 MH6.1 77.39,3.6 ; 8.34,32.06 DC1.3 ; DC1.3 13.46,32.06 ; DC1.3 10.9,33.62